# Altium PCB PCB.PcbDoc
Units mil, origin at the board's own origin, x right, y up, seen from the top; angles counter-clockwise.
Board outline 5118.11 x 5748.03 mil, 2 copper layers (Top Layer, Bottom Layer); 137 components, 128 nets, 470 pads, 16 vias.
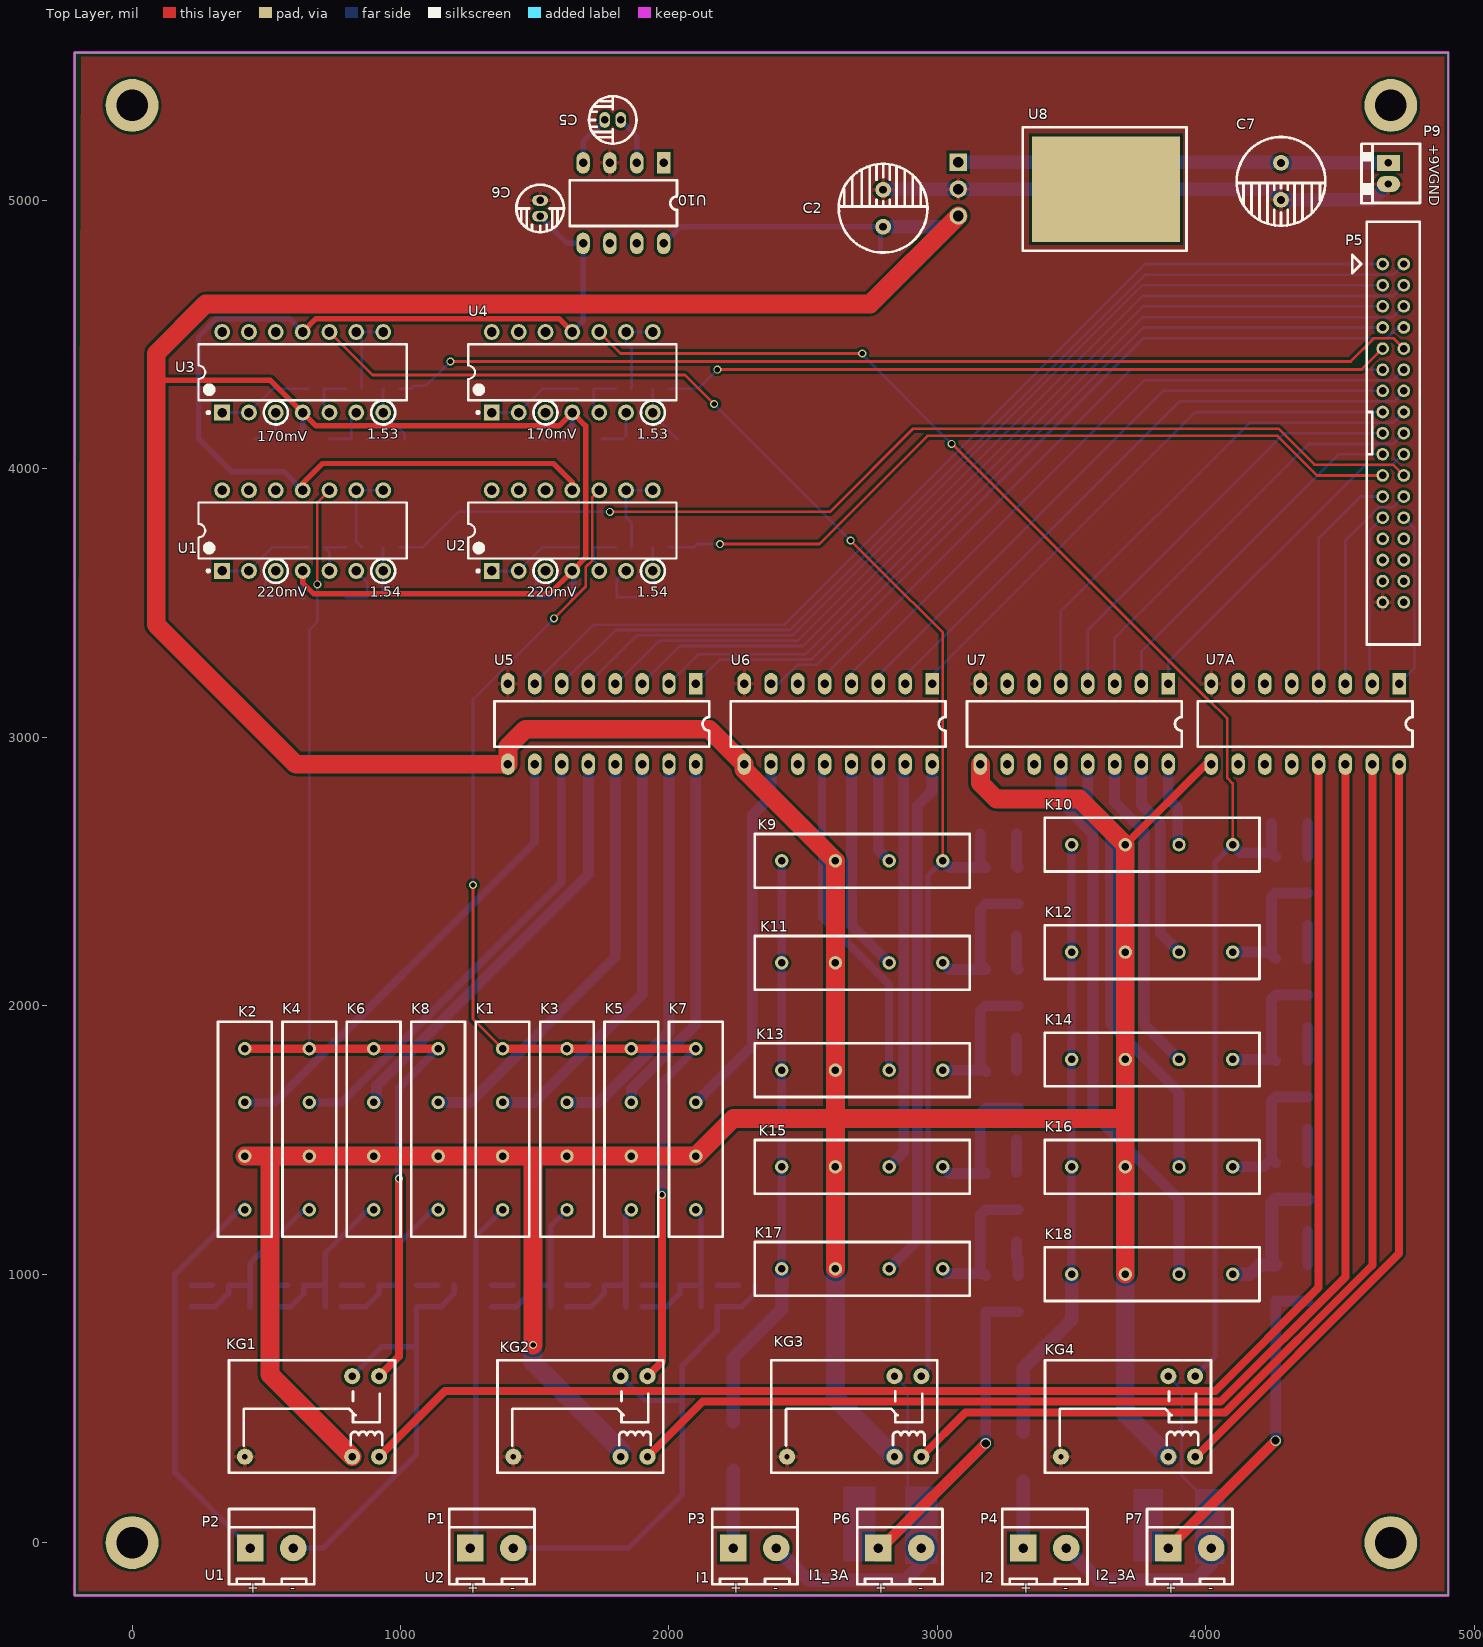
[diagram p0: Top Layer view]
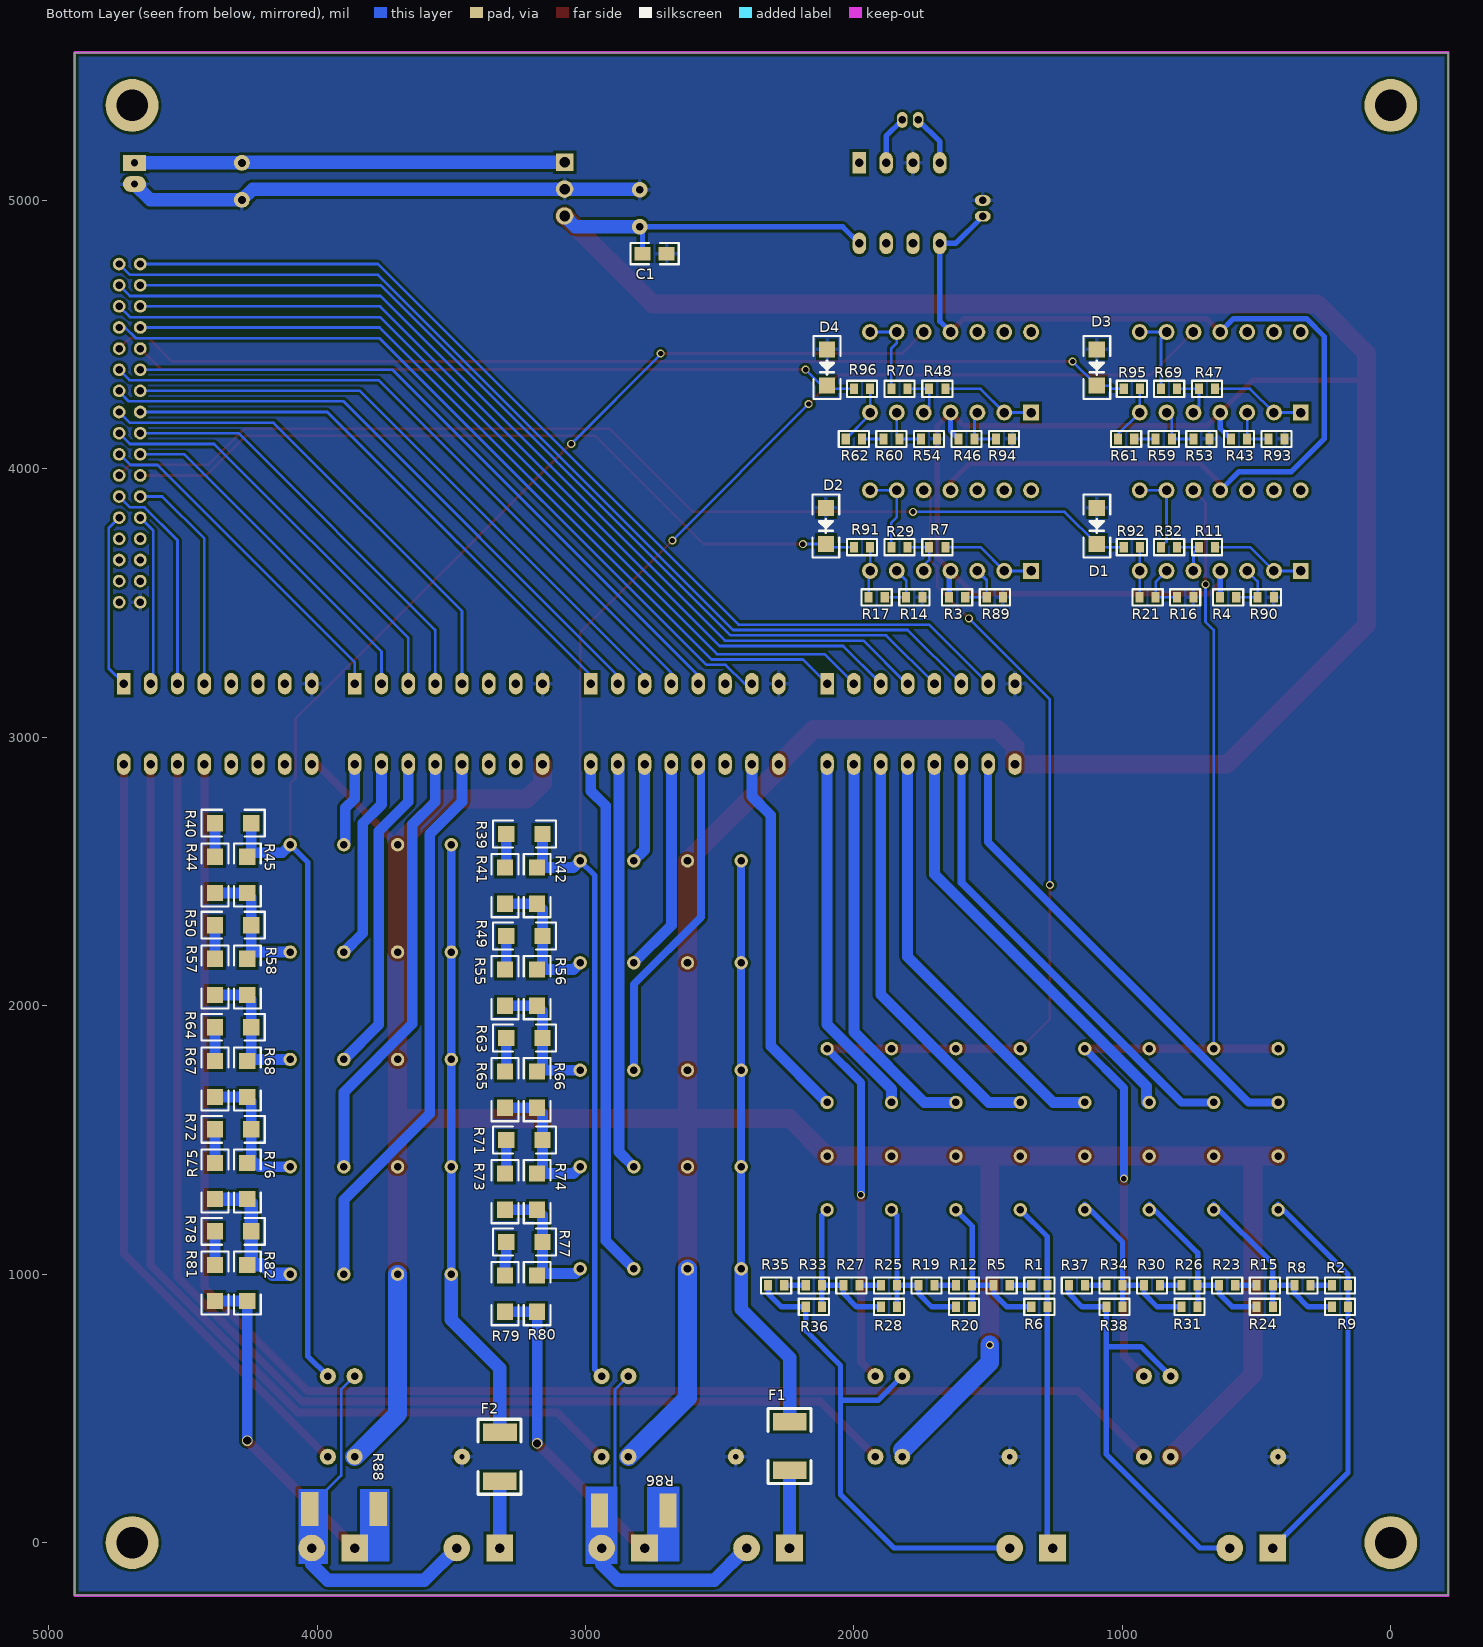
[diagram p1: Bottom Layer view, seen from below]

## Layer stack, top to bottom
Top Layer: signal copper 1.4
Dielectric: dielectric 12.6, FR-4, Dk 4.8
Bottom Layer: signal copper 1.4

## Board outline
-214.57,5551.18 -214.57,-196.85 4903.54,-196.85 4903.54,5551.18

## Design rules (kind name [scope] priority, off if disabled: settings)
Clearance [All] p1: gap=10
HoleSize [All] p1: absolutevalues=TRUE maxlimit=150 minlimit=1 maxpercent=80.000 minpercent=20.000
HoleToHoleClearance [All] p1: gap=2 allowstackedmicrovias=TRUE
PlaneConnect [All] p1: planeconnectstyle=Relief reliefexpansion=20 reliefentries=4 reliefconductorwidth=15 reliefairgap=10
PolygonConnect [All] p1: connectstyle=Relief reliefconductorwidth=15 reliefentries=4 polygonreliefangle="90 Angle"
RoomDefinition Sheet [InComponentClass('Sheet')] p1: confinementstyle=ConfineOut formatcopy=TRUE lockcomponents=FALSE outline -22969.57,-24226.85 -20969.57,-24226.85 -20969.57,-23226.85 -22969.57,-23226.85
RoutingVias [All] p1: holewidth=28 width=50 viastyle="Through Hole" minholewidth=28 minwidth=50 maxholewidth=28 maxwidth=50
SilkToSilkClearance [All] p1 off: silktosilkclearance=3.94
SilkscreenOverComponentPads [All] p1: minsilkscreentomaskgap=3.94
SolderMaskExpansion [All] p1: expansion=4
TestPointUsage [All] p1: valid=0 allowmultiple=FALSE
Testpoint [All] p1: side=15 testpointundercomponent=TRUE minsize=40 maxsize=100 preferedsize=60 minholesize=0 maxholesize=40 preferedholesize=32 testpointgrid=1 style=1023 order=0-112345678
Width Width_1 [InNet('I1_3A','+9V','GND','+5V_out','+5V')] p1: maxlimit=100 minlimit=10 preferedwidth=10 toplayer_minwidth=20 toplayer_prefwidth=70 bottomlayer_minwidth=20 bottomlayer_prefwidth=70 minimp=50.000000 maximp=50.000000 favimp=50.000000
Width [All] p2: maxlimit=50 minlimit=10 preferedwidth=20 minimp=50.000000 maximp=50.000000 favimp=50.000000
19 further rules are at their usual default settings.

## Components (designator, comment, footprint, x,y, rotation, side; value= is the part's Value field where it differs from the comment)
C1 "Cap" 0805 2697.8,4802.2 r0 bottom
C2 "Cap" RB8mm_3.5mm 2797.8,4902.2 r90 top
C5 "Cap" RB4.5mm_1.5mm 1820,5300 r180 top
C6 "Cap" RB4.5mm_1.5mm 1520,5000 r270 top
C7 "Cap" RB8mm_3.5mm 4280,5140 r270 top
D1 "" D1206 1095.28,3720 r90 bottom
D2 "" D1206 2104.72,3720 r90 bottom
D3 "" D1206 1095.28,4310 r90 bottom
D4 "" D1206 2100,4310 r90 bottom
F1 "0.75A" 1812 2240,360 r90 bottom
F2 "0.75A" 1812 3320,320 r90 bottom
K1 "Relay-SPST" MyRelay 1380,1540 r270 top
K2 "Relay-SPST" MyRelay 420,1540 r270 top
K3 "Relay-SPST" MyRelay 1620,1540 r270 top
K4 "Relay-SPST" MyRelay 660,1540 r270 top
K5 "Relay-SPST" MyRelay 1860,1540 r270 top
K6 "Relay-SPST" MyRelay 900,1540 r270 top
K7 "Relay-SPST" MyRelay 2100,1540 r270 top
K8 "Relay-SPST" MyRelay 1140,1540 r270 top
K9 "Relay-SPST" MyRelay 2720,2540 r180 top
K10 "Relay-SPST" MyRelay 3800,2600 r180 top
K11 "Relay-SPST" MyRelay 2720,2160 r180 top
K12 "Relay-SPST" MyRelay 3800,2200 r180 top
K13 "Relay-SPST" MyRelay 2720,1760 r180 top
K14 "Relay-SPST" MyRelay 3800,1800 r180 top
K15 "Relay-SPST" MyRelay 2720,1400 r180 top
K16 "Relay-SPST" MyRelay 3800,1400 r180 top
K17 "Relay-SPST" MyRelay 2720,1020 r180 top
K18 "Relay-SPST" MyRelay 3800,1000 r180 top
KG1 "Relay" RELAY_HK4101F 920,320 r180 top
KG2 "Relay" RELAY_HK4101F 1920,320 r180 top
KG3 "Relay" RELAY_HK4101F 2940,320 r180 top
KG4 "Relay" RELAY_HK4101F 3960,320 r180 top
P1 "U2" MYCON2 1340,-20 r0 top
P2 "U1" MYCON2 520,-20 r0 top
P3 "I1" MYCON2 2320,-20 r0 top
P4 "I2" MYCON2 3400,-20 r0 top
P5 "Header 17X2" IDC34S 4560,4763.78 r180 top locked
P6 "I1_3A" MYCON2 2860,-20 r0 top
P7 "I2_3A" MYCON2 3940,-20 r0 top
P9 "9V输入" XH2.0-2p 4680,5140 r270 top
R1 "Res1" 0603R 1340,960 r180 bottom
R2 "Res1" 0603R 220,960 r180 bottom
R3 "Res1" 0603R 1584.72,3520 r0 bottom
R4 "Res1" 0603R 575.28,3520 r0 bottom
R5 "Res1" 0603R 1480,960 r180 bottom
R6 "Res1" 0603R 1340,880 r180 bottom
R7 "Res1" 0603R 1720,3710 r180 bottom
R8 "Res1" 0603R 360,960 r180 bottom
R9 "Res1" 0603R 220,880 r180 bottom
R11 "Res1" 0603R 715.28,3710 r180 bottom
R12 "Res1" 0603R 1620,960 r180 bottom
R14 "Res1" 0603R 1744.72,3520 r0 bottom
R15 "Res1" 0603R 500,960 r180 bottom
R16 "Res1" 0603R 735.28,3520 r0 bottom
R17 "Res1" 0603R 1884.72,3520 r0 bottom
R19 "Res1" 0603R 1760,960 r180 bottom
R20 "Res1" 0603R 1620,880 r180 bottom
R21 "Res1" 0603R 875.28,3520 r0 bottom
R23 "Res1" 0603R 640,960 r180 bottom
R24 "Res1" 0603R 500,880 r180 bottom
R25 "Res1" 0603R 1900,960 r180 bottom
R26 "Res1" 0603R 780,960 r180 bottom
R27 "Res1" 0603R 2040,960 r180 bottom
R28 "Res1" 0603R 1900,880 r180 bottom
R29 "Res1" 0603R 1800,3706.78 r0 bottom
R30 "Res1" 0603R 920,960 r180 bottom
R31 "Res1" 0603R 780,880 r180 bottom
R32 "Res1" 0603R 795.28,3706.78 r0 bottom
R33 "Res1" 0603R 2180,960 r180 bottom
R34 "Res1" 0603R 1060,960 r180 bottom
R35 "Res1" 0603R 2320,960 r180 bottom
R36 "Res1" 0603R 2180,880 r180 bottom
R37 "Res1" 0603R 1200,960 r180 bottom
R38 "Res1" 0603R 1060,880 r180 bottom
R39 "Res1" 1206 3295,2640 r180 bottom
R40 "Res1" 1206 4380,2680 r180 bottom
R41 "Res1" 1206 3300,2380 r90 bottom
R42 "Res1" 1206 3180,2380 r90 bottom
R43 "Res1" 0603R 535.28,4110 r0 bottom
R44 "Res1" 1206 4380,2420 r90 bottom
R45 "Res1" 1206 4260,2420 r90 bottom
R46 "Res1" 0603R 1550,4110 r0 bottom
R47 "Res1" 0603R 715.28,4300 r180 bottom
R48 "Res1" 0603R 1720,4300 r180 bottom
R49 "Res1" 1206 3295,2260 r180 bottom
R50 "Res1" 1206 4380,2300 r180 bottom
R53 "Res1" 0603R 675.28,4110 r0 bottom
R54 "Res1" 0603R 1690,4110 r0 bottom
R55 "Res1" 1206 3300,2000 r90 bottom
R56 "Res1" 1206 3180,2000 r90 bottom
R57 "Res1" 1206 4380,2040 r90 bottom
R58 "Res1" 1206 4260,2040 r90 bottom
R59 "Res1" 0603R 815.28,4110 r0 bottom
R60 "Res1" 0603R 1830,4110 r0 bottom
R61 "Res1" 0603R 955.28,4110 r0 bottom
R62 "Res1" 0603R 1970,4110 r0 bottom
R63 "Res1" 1206 3295,1880 r180 bottom
R64 "Res1" 1206 4380,1920 r180 bottom
R65 "Res1" 1206 3300,1620 r90 bottom
R66 "Res1" 1206 3180,1620 r90 bottom
R67 "Res1" 1206 4380,1660 r90 bottom
R68 "Res1" 1206 4260,1660 r90 bottom
R69 "Res1" 0603R 795.28,4296.78 r0 bottom
R70 "Res1" 0603R 1800,4296.78 r0 bottom
R71 "Res1" 1206 3295,1500 r180 bottom
R72 "Res1" 1206 4380,1540 r180 bottom
R73 "Res1" 1206 3300,1240 r90 bottom
R74 "Res1" 1206 3180,1240 r90 bottom
R75 "Res1" 1206 4380,1280 r90 bottom
R76 "Res1" 1206 4260,1280 r90 bottom
R77 "Res1" 1206 3295,1120 r180 bottom
R78 "Res1" 1206 4380,1160 r180 bottom
R79 "Res1" 1206 3300,860 r90 bottom
R80 "Res1" 1206 3180,860 r90 bottom
R81 "Res1" 1206 4380,900 r90 bottom
R82 "Res1" 1206 4260,900 r90 bottom
R86 "Res1" MY2512 2820,120 r180 bottom
R88 "Res1" MY2512 3900,125 r180 bottom
R89 "Res1" 0603R 1444.72,3520 r0 bottom
R90 "Res1" 0603R 435.28,3520 r0 bottom
R91 "Res1" 0603R 2000,3710 r180 bottom
R92 "Res1" 0603R 995.28,3710 r180 bottom
R93 "Res1" 0603R 395.28,4110 r0 bottom
R94 "Res1" 0603R 1410,4110 r0 bottom
R95 "Res1" 0603R 995.28,4300 r180 bottom
R96 "Res1" 0603R 2000,4300 r180 bottom
U1 "LMC6064IN" N14A 635.28,3770 r90 top
U2 "LMC6064IN" N14A 1640,3770 r90 top
U3 "LMC6064IN" N14A 635.28,4360 r90 top
U4 "LMC6064IN" N14A 1640,4360 r90 top
U5 "ULN2003" DIP16 2100,3200 r270 top
U6 "ULN2003" DIP16 2980,3200 r270 top
U7 "ULN2003" DIP16 3860,3200 r270 top
U7A "ULN2003" DIP16 4720,3200 r270 top
U8 "7805" 78xx 3077.8,5142.2 r270 top
U10 "ICL7660" DIP8 1980,5140 r270 top

## Footprints (in the part's own frame and the unit in brackets; to place one, negate y for a bottom-side part, rotate by r counter-clockwise, add the part's x,y. Pads: shape width x height; smd on the part's side, far side on the other; paste and mask are expansions set on the pad)
78xx [mil]
  rect 65x65 hole 39.37: 1(0,0)
  round 65 hole 39.37: 2(100,0) 3(200,0)
  rect 393.7x551.18 smd: ""(100,550)
  silkscreen extent -130,240 330,850
0603R [mil]
  rect 30x40 smd: 1(0.5,-1.59) 2(60.5,-1.59)
  silkscreen extent -26,-32 87,28
0805 [mil]
  rect 60x50 smd: 1(0,0) 2(90,0)
  silkscreen extent -45,-40 135,40
1206 [mil]
  rect 60x60 smd: 1(0,0) 2(135,0)
  silkscreen extent -50,-50 185,50
1812 [mm]
  rect 1.65x3.2 smd: 1(-2.3,-0.022) 2(2.3,-0.025)
  silkscreen extent -3.56,-2.03 3.56,2.03
D1206 [mil]
  rect 60x60 smd: 1(0,0) 3(135,0)
  silkscreen extent -50,-50 185,50
DIP8 [mil]
  rect 80x50 hole 32: 1(0,0)
  oval 80x50 hole 32: 2(0,-100) 3(0,-200) 4(0,-300) 5(300,-300) 6(300,-200) 7(300,-100) 8(300,0)
  silkscreen extent 65,-350 235,50
DIP16 [mil]
  rect 80x50 hole 32: 1(0,0)
  oval 80x50 hole 32: 2(0,-100) 3(0,-200) 4(0,-300) 5(0,-400) 6(0,-500) 7(0,-600) 8(0,-700) 9(300,-700) 10(300,-600) 11(300,-500) 12(300,-400) 13(300,-300) 14(300,-200) 15(300,-100) 16(300,0)
  silkscreen extent 65,-750 235,50
IDC34S [mm]
  round 1.2 hole 0.7: 1(-2.504,0.016) 2(-4.504,0.016) 3(-2.504,2.016) 4(-4.504,2.016) 5(-2.504,4.016) 6(-4.504,4.016) 7(-2.504,6.016) 8(-4.504,6.016) 9(-2.504,8.016) 10(-4.504,8.016) 11(-2.504,10.016) 12(-4.504,10.016) 13(-2.504,12.016) 14(-4.504,12.016) 15(-2.504,14.016) 16(-4.504,14.016) 17(-2.504,16.016) 18(-4.504,16.016) 19(-2.504,18.016) 20(-4.504,18.016) 21(-2.504,20.016) 22(-4.504,20.016) 23(-2.504,22.016) 24(-4.504,22.016) 25(-2.504,24.016) 26(-4.504,24.016) 27(-2.504,26.016) 28(-4.504,26.016) 29(-2.504,28.016) 30(-4.504,28.016) 31(-2.504,30.016) 32(-4.504,30.016) 33(-2.504,32.016) 34(-4.504,32.016)
  silkscreen extent -6.01,-3.99 0.37,36.01
MY2512 [mm]
  rect 1.65x3.2 smd: 1(-3.247,0.004) 2(3.233,0)
MYCON2 [mil]
  rect 99.37x99.37 hole 35.43: 1(-80,0)
  round 99.37 hole 35.43: 2(80,0)
  silkscreen extent -159,-135 159,145
MyRelay [mil]
  round 50 hole 28: 1(300,0) 2(-300,0) 3(100,0) 4(-100,0)
  silkscreen extent -400,-100 400,100
N14A [mm] "DIP, 14-Leads, Row Spacing 7.62mm, Pitch 2.54mm, Body 19.56x6.35mm"
  rect 1.5x1.5 hole 0.9: 1(-3.81,7.62)
  round 1.5 hole 0.9: 2(-3.81,5.08) 3(-3.81,2.54) 4(-3.81,0) 5(-3.81,-2.54) 6(-3.81,-5.08) 7(-3.81,-7.62) 8(3.81,-7.62) 9(3.81,-5.08) 10(3.81,-2.54) 11(3.81,0) 12(3.81,2.54) 13(3.81,5.08) 14(3.81,7.62)
  silkscreen extent -3.93,-9.85 2.65,9.85, body extent -3.55,-9.85 3.55,9.85, height 5.08
RB4.5mm_1.5mm [mm] "cap"
  oval 1x1.5 hole 0.711: 1(0,0) 2(1.5,0)
  silkscreen extent -1.5,-2.25 3,2.25
RB8mm_3.5mm [mm]
  round 1.5 hole 0.75: 1(0,0) 2(3.5,0)
  silkscreen extent -2.45,-4.2 5.95,4.2
RELAY_HK4101F [mil] "汇科HK4101F继电器"
  round 60 hole 19.68: 1(500,0)
  round 60 hole 27.56: 2(0,-300) 3(100,-300) 4(0,0) 5(100,0)
  silkscreen extent -59,-359 559,59
XH2.0-2p [mm]
  rect 1.5x2.2 hole 0.7: 1(0,0)
  oval 1.5x2.2 hole 0.7: 2(2,0)
  silkscreen extent -1.8,-2.55 3.81,3

## Part data
C1 C2 C5 C6 C7: "Capacitor"
D1 D2 D3 D4: library part "Diode 10TQ035", "Schottky Rectifier"
F1 F2: library part "Fuse 1", "Fuse"
K1 K2 K3 K4 K5 K6 K7 K8 K9 K10 K11 K12 K13 K14 K15 K16 K17 K18: "Single-Pole Single-Throw Relay"
KG1 KG2 KG3 KG4: "SPDT Relay"
P1 P2 P3 P4 P6 P7 P9: library part "Header 2", "Header, 2-Pin"
P5: "Header, 17-Pin, Dual row"
R1 R2 R3 R4 R5 R6 R7 R8 R9 R11 R12 R14 R15 R16 R17 R19 R20 R21 R23 R24 R25 R26 R27 R28 R29 R30 R31 R32 R33 R34 R35 R36 R37 R38 R39 R40 R41 R42 R43 R44 R45 R46 R47 R48 R49 R50 R53 R54 R55 R56 R57 R58 R59 R60 R61 R62 R63 R64 R65 R66 R67 R68 R69 R70 R71 R72 R73 R74 R75 R76 R77 R78 R79 R80 R81 R82 R86 R88 R89 R90 R91 R92 R93 R94 R95 R96: "Resistor"
U1 U2 U3 U4: "Precision CMOS Quad Micropower Operational Amplifier"

## Free pads (board coordinates)
  round 196.85 hole 118.11: ""(0,0) ""(0,5354.33) ""(4688.98,0) ""(4688.98,5354.33)

## Via types
v1: diameter 30, hole 20, Top Layer to Bottom Layer, 14 vias
v2: diameter 40, hole 30, Top Layer to Bottom Layer, 2 vias

## Nets (pads, with @x,y where several pads share a name; then routed paths per layer and width w, separated by ;. In a path a pad name is that pad's centre, name@x,y a point inside that pad or via, vN(x,y) a via of type N, cw(c..) or ccw(c..) an arc to the next point about the centre after c; other vN are vias at no path point)
+5V: C1.2 C2.1 K1.3 K2.3 K3.3 K4.3 K5.3 K6.3 K7.3 K8.3 K9.3 K10.3 K11.3 K12.3 K13.3 K14.3 K15.3 K16.3 K17.3 K18.3 KG1.5 KG2.5 KG3.5 KG4.5 R3.2 R4.2 R43.2 R46.2 U1.4 U2.4 U3.4 U4.4 U5.9 U6.9 U7.9 U7A.9 U8.3 U10.8 | length 23897.4
  Top Layer w20: 90,4330 515.28,4330 U3.4 684.81,4160.47 1590.47,4160.47 U4.4 1689.53,4160.47 1689.53,3669.53 U2.4 1555,3535 675.5,3535 635.77,3574.73 635.77,3619.5 U1.4
  Top Layer w30: K10.3 4000,2900 U7A.9
  Top Layer w70: K2.3 K4.3 K6.3 K8.3 K1.3 K3.3 K5.3 K7.3 2240,1580 2620,1580 ; 513.86,1426.14 513.86,626.14 KG1.5 ; v1(1493.86,736.22) 1493.86,1436.14 ; K17.3 K15.3 2620,1580 ; U8.3 2750.12,4614.53 274.53,4614.53 90,4430 90,4330 90,3760 90,3420 610,2900 U5.9 1400,2965 1465,3030 2150,3030 U6.9 2280,2880 K9.3 K11.3 K13.3 2620,1580 ; U7.9 3160,2830 3220,2770 3530,2770 K10.3 K12.3 K14.3 K16.3 K18.3 ; 3690,1580 2620,1580
  Bottom Layer w20: R43.2 635.28,4151.09 U3.4 ; R4.2 U1.4@635.77,3619.5 ; R46.2 1640,4141.09 U4.4 ; U2.4 1645.22,3614.78 R3.2 ; U10.8 2042.2,4902.2 C2.1 2787.8,4892.2 C1.2
  Bottom Layer w50: C2.1 3037.8,4902.2 U8.3
  Bottom Layer w70: v1(1493.86,736.22) 1493.86,671.14 KG2.5@1820,345 ; K17.3 2620,540 KG3.5 ; K18.3 3700,480 KG4.5
+9V: C7.1 P9.1 U8.1 | length 1603.1
  Bottom Layer w50: U8.1 4277.8,5142.2 C7.1 P9.1
-5V: C6.2 U1.11 U2.11 U3.11 U4.11 U10.5 | length 3997.5
  Top Layer w20: U1.11 635.28,3945.28 710,4020 1570,4020 1640,3950 U2.11 ; U3.11 636.22,4510 685.75,4559.53 1590.47,4559.53 U4.11
  Bottom Layer w20: U1.11 565.28,3990 370,3990 247.48,4112.52 247.48,4492.25 314.76,4559.53 585.75,4559.53 U3.11 ; C6.2 1620.94,4840 U10.5 1680,4550 U4.11
GND: C1.1 C2.2 C6.1 C7.2 D1.3 D2.3 D3.3 D4.3 KG1.1 KG2.1 KG3.1 KG4.1 P5.33 P9.2 R14.1 R16.1 R53.1 R54.1 R89.1 R90.1 R93.1 R94.1 U5.8 U6.8 U7.8 U7A.8 U8.2 U10.3 | length 1924.1
  Bottom Layer w50: C2.2@2800,5042.2 U8.2 4240,5042.2 C7.2 ; C7.2@4282.2,5000 C7.2 ; P9.2 4620.94,5002.2 C7.2
I1_0.6A: K17.4 U6.16 | length 1946.3
  Bottom Layer w40: K17.4 2925,1125 2925,2745 2980,2800 U6.16
I1_3A: P6.1 R79.1 R80.1 R86.2 | length 1171.5
  Top Layer w40: P6.1 2790,-20 v2(3180,370)
  Bottom Layer w40: v2(3180,370) R80.1 R79.1
I1_5MA: K13.4 U6.12 | length 1247.7
  Bottom Layer w30: U6.12 2570,2890 2570,2330 2820,2080 K13.4
I1_50MA: K15.4 U6.15 | length 1524.9
  Bottom Layer w40: K15.4 2875,1455 2875,2895 U6.15
I1_50UA: K9.4 U6.14 | length 376.6
  Bottom Layer w40: U6.14 2780,2580 K9.4
I1_300UA: K11.4 U6.13 | length 798
  Bottom Layer w40: U6.13 2680,2300 K11.4
I1_AD: D3.1 P5.10 R95.1 | length 3836.6
  Top Layer w10: v1(1185.28,4400) 4539.54,4400 4626.35,4486.8 4698.72,4486.8 P5.10
  Bottom Layer w10: R95.1 1038.84,4298.41 1050.43,4310 D3.1 v1(1185.28,4400)
I2_0.6A: K18.4 U7.12 | length 2082.3
  Bottom Layer w40: U7.12 3460,2760 3580,2640 3580,1597.78 3900,1277.78 K18.4
I2_3A: P7.1 R81.1 R82.1 R88.2 | length 1205.7
  Top Layer w40: P7.1 v2(4260,380)
  Bottom Layer w40: v2(4260,380) R82.1 R81.1
I2_5MA: K14.4 U7.14 | length 1199.4
  Bottom Layer w40: U7.14 3660,2760 3770,2650 3770,1930 K14.4
I2_50MA: K16.4 U7.13 | length 1640.8
  Bottom Layer w40: U7.13 3560,2760 3645,2675 3645,1932.78 3900,1677.78 K16.4
I2_50UA: K10.4 U7.16 | length 316.6
  Bottom Layer w40: U7.16 3860,2771.42 3895,2736.42 3895,2605 K10.4
I2_300UA: K12.4 U7.15 | length 758
  Bottom Layer w40: U7.15 3760,2750 3830,2680 3830,2270 K12.4
I2_AD: D4.1 P5.9 R96.1 | length 2720.5
  Top Layer w10: v1(2180,4370) 4580.42,4370 P5.9
  Bottom Layer w10: R96.1 2088.41,4298.41 2110,4300 v1(2180,4370)
IO_0: P5.1 U5.7 | length 3806.1
  Bottom Layer w10: U5.7 1720,3420 2430,3420 3773.14,4763.14 P5.1
IO_1: P5.2 U5.6 | length 3784.8
  Bottom Layer w10: U5.6 1800,3400 2450,3400 3773.02,4723.02 4697.22,4723.02 P5.2
IO_2: P5.3 U5.5 | length 3573.5
  Bottom Layer w10: U5.5 1880,3380 2460,3380 3764.4,4684.4 P5.3
IO_3: P5.4 U5.4 | length 3552.2
  Bottom Layer w10: U5.4 1805,3200 1965,3360 2480,3360 3764.28,4644.28 4697.22,4644.28 P5.4
IO_4: P5.5 U5.3 | length 3340.8
  Bottom Layer w10: U5.3 2040,3340 2500,3340 3765.66,4605.66 P5.5
IO_5: P5.6 U5.2 | length 3319.6
  Bottom Layer w10: U5.2 2110,3310 2510,3310 3765.54,4565.54 4697.22,4565.54 P5.6
IO_6: P5.7 U5.1 | length 3108.2
  Bottom Layer w10: U5.1 2190,3290 2530,3290 3766.92,4526.92 P5.7
IO_7: P5.8 U6.7 | length 2907
  Bottom Layer w10: U6.7 2408.43,3200 2478.43,3270 2550,3270 3766.8,4486.8 4674.6,4486.8 4714.71,4526.92 P5.8
IO_8: P5.11 U6.5 | length 2580.6
  Bottom Layer w10: U6.5 2580,3230 3719.44,4369.44 P5.11
IO_9: P5.12 U6.4 | length 2565.2
  Bottom Layer w10: U6.4 2680,3240 3770.82,4330.82 4698.72,4330.82 P5.12
IO_10: P5.13 U6.3 | length 2348
  Bottom Layer w10: U6.3 2780,3230 3840.7,4290.7 P5.13
IO_11: P5.14 U6.2 | length 2330.6
  Bottom Layer w10: U6.2 2880,3230 3902.08,4252.08 4702.08,4252.08 4734.02,4284.02 P5.14@4734.02,4294.02
IO_12: P5.15 U6.1 | length 2115.3
  Bottom Layer w10: U6.1 2980,3230 3961.96,4211.96 P5.15
IO_13: P5.16 U7.5 | length 1854.7
  Bottom Layer w10: U7.5 3460,3470 4161.84,4171.84 4697.22,4171.84 P5.16
IO_14: P5.17 U7.4 | length 1602.3
  Bottom Layer w10: U7.4 3560,3400 4293.22,4133.22 P5.17
IO_15: P5.18 U7.3 | length 1563.5
  Bottom Layer w10: U7.3 3660,3370 4383.1,4093.1 4697.22,4093.1 P5.18
IO_16: P5.19 U7.2 | length 1322.8
  Bottom Layer w10: U7.2 3760,3320 4494.48,4054.48 P5.19
IO_17: P5.20 U7.1 | length 1278.1
  Bottom Layer w10: U7.1 3860,3280 4594.36,4014.36 4694.36,4014.36 4734.48,4054.48 P5.20
IO_18: P5.23 U7A.4 | length 843.6
  Bottom Layer w10: U7A.4 4420,3740 4577,3897 P5.23
IO_19: P5.24 U7A.3 | length 819
  Bottom Layer w10: U7A.3 4520,3734.28 4642.6,3856.88 4697.22,3856.88 P5.24
IO_20: P5.25 U7A.2 | length 642.5
  Bottom Layer w10: U7A.2 4610,3210 4610,3769.66 P5.25
IO_21: P5.26 U7A.1 | length 657.4
  Bottom Layer w10: U7A.1 4775.96,3255.96 4775.96,3779.64 P5.26
KG1: KG1.4 U7A.13 | length 5711
  Top Layer w30: KG1.4 1165,565 4035,565 4420,950 U7A.13
KG2: KG2.4 U7A.14 | length 4787.5
  Top Layer w30: KG2.4 2125,525 4055,525 4520,990 U7A.14
KG3: KG3.4 U7A.15 | length 3842.1
  Top Layer w30: KG3.4 3105,485 4071.57,485 4620,1033.43 U7A.15
KG4: KG4.4 U7A.16 | length 2896.6
  Top Layer w30: KG4.4 3963.14,320 4720,1076.86 U7A.16
NetC5_1: C5.1 U10.2 | length 184.9
  Bottom Layer w20: C5.1 1880,5240 U10.2
NetC5_2: C5.2 U10.4 | length 193.5
  Bottom Layer w20: U10.4 1680,5219.06 C5.2
NetF1_1: F1.1 P3.1 | length 289.8
  Bottom Layer w50: F1.1 2240,268.59 P3.1
NetF1_2: F1.2 K9.1 K11.1 K13.1 K15.1 K17.1 | length 2164.4
  Bottom Layer w30: K17.1 K15.1 K13.1 K11.1 K9.1
  Bottom Layer w50: F1.2 2239.02,689.02 2420,870 K17.1
NetF2_1: F2.1 P4.1 | length 249.8
  Bottom Layer w50: F2.1 3319.14,-19.14 P4.1
NetF2_2: F2.2 K10.1 K12.1 K14.1 K16.1 K18.1 | length 2264.4
  Bottom Layer w30: K18.1 K16.1 K14.1 K12.1 K10.1
  Bottom Layer w50: F2.2 3319.02,649.02 3500,830 K18.1
NetK1_1: K1.1 P1.1 R1.2 R6.2 | length 1309.7
  Bottom Layer w20: P1.1 1279.5,-0.5 R6.2 R1.2 1279.5,1139.5 K1.1
NetK1_2: K1.2 K3.2 K5.2 K7.2 KG2.2 U2.10 | length 4334.8
  Top Layer w10: v1(1270,2450) 1270,1950 K1.2 ; v1(1571.7,3443.27) 1690,3561.57 1690,3634.64 1714.53,3659.17 1714.53,3894.53 U2.10
  Top Layer w30: K1.2 K3.2 K5.2 K7.2 ; KG2.2 1974.17,674.17 v1(1974.17,1295.83)
  Bottom Layer w10: v1(1270,2450) 1270,3141.57 v1(1571.7,3443.27)
  Bottom Layer w30: v1(1974.17,1295.83) 1974.17,1714.17 K7.2
NetK2_1: K2.1 P2.1 R2.2 R9.2 | length 1504.1
  Bottom Layer w20: K2.1@420,1260 159.5,999.5 R2.2 R9.2 159.5,260.5 P2.1
NetK2_2: K2.2 K4.2 K6.2 K8.2 KG1.2 U1.10 | length 4122.3
  Top Layer w10: v1(690,3570) 690,3874.72 U1.10
  Top Layer w30: K2.2@440,1840 K4.2 K6.2 K8.2 ; KG1.2 994.17,694.17 v1(994.17,1355.83)
  Bottom Layer w10: K4.2 660,3400 690,3430 v1(690,3570)
  Bottom Layer w30: v1(994.17,1355.83) 994.17,1694.17 K8.2
NetK3_1: K3.1 R5.1 R6.1 R12.2 R20.2 | length 657.6
  Bottom Layer w20: R6.1 1430,878.41 1479.5,927.91 R5.1 R12.2 ; R20.2 R12.2 ; K3.1 1559.5,1179.5 R12.2
NetK4_1: K4.1 R8.1 R9.1 R15.2 R24.2 | length 743
  Bottom Layer w20: R9.1 308.41,878.41 359.5,929.5 R8.1 R15.2 ; R24.2 R15.2 ; K4.1@660,1260 439.5,1039.5 R15.2
NetK5_1: K5.1 R19.1 R20.1 R25.2 R28.2 | length 641.1
  Bottom Layer w20: R20.1 1710,878.41 1759.5,927.91 R19.1 R25.2 ; R28.2 R25.2 ; K5.1 1839.5,1219.5 R25.2
NetK6_1: K6.1 R23.1 R24.1 R26.2 R31.2 | length 727.4
  Bottom Layer w20: R24.1 590,878.41 639.5,927.91 R23.1 R26.2 ; R31.2 R26.2 ; K6.1@900,1260 719.5,1079.5 R26.2
NetK7_1: K7.1 R27.1 R28.1 R33.2 R36.2 | length 640.7
  Bottom Layer w20: R28.1 1990,878.41 2039.5,927.91 R27.1 R33.2 ; K7.1 2119.5,1220.5 R33.2 ; R36.2 R33.2
NetK8_1: K8.1 R30.1 R31.1 R34.2 R38.2 | length 710.8
  Bottom Layer w20: R31.1 870,878.41 919.5,927.91 R30.1 R34.2 ; R38.2 R34.2 ; K8.1@1140,1260 999.5,1119.5 R34.2
NetK9_2: K9.2 KG3.2 R39.2 R42.2 U3.10 | length 5855.4
  Top Layer w10: U3.10 895.28,4350 2060,4350 v1(2168.45,4241.55) ; v1(2676.53,3733.47) 2790,3620 3020,3390 K9.2
  Bottom Layer w10: v1(2168.45,4241.55) v1(2676.53,3733.47)
  Bottom Layer w20: KG3.2 2965,645 2965,2485 K9.2
  Bottom Layer w40: K9.2 3045,2515 R42.2 3160,2535 R39.2
NetK10_2: K10.2 KG4.2 R40.2 R45.2 U4.10 | length 5749.9
  Top Layer w10: U4.10 1820,4430 v1(2720,4430) ; v1@3049.22,4099.22 4003.43,3145 4005,3145 4080,3070 4080,2848.43 4100,2828.43 K10.2
  Bottom Layer w10: v1(2720,4430) 2720,4426.21 v1(3053.05,4093.16)
  Bottom Layer w20: KG4.2 4034.17,694.17 4034.17,2534.17 K10.2
  Bottom Layer w40: K10.2 4130,2570 R45.2@4245,2570 ; R40.2 R45.2@4245,2570 ; R45.2 R45.2@4245,2570
NetK11_2: K11.2 R41.1 R42.1 R49.2 R56.2 | length 551.9
  Bottom Layer w40: K11.2 3045,2135 R56.2 3160,2155 3160,2360 R42.1 R41.1
NetK12_2: K12.2 R44.1 R45.1 R50.2 R58.2 | length 512.4
  Bottom Layer w40: K12.2 R58.2@4235,2200 ; R58.2 4245,2190 R50.2 4245,2405 R45.1 R44.1
NetK13_2: K13.2 R55.1 R56.1 R63.2 R66.2 | length 515.4
  Bottom Layer w40: K13.2 3175,1760 R66.2 ; R66.2@3160,1775 3160,1980 R56.1 R55.1
NetK14_2: K14.2 R57.1 R58.1 R64.2 R68.2 | length 532.4
  Bottom Layer w40: K14.2 R68.2@4255,1800 ; R68.2 R68.2@4255,1800 ; R57.1 R58.1 4245,2025 R64.2 4245,1810 R68.2@4255,1800
NetK15_2: K15.2 R65.1 R66.1 R71.2 R74.2 | length 551.9
  Bottom Layer w40: K15.2 3045,1375 R74.2 3160,1395 3160,1600 R66.1 R65.1
NetK16_2: K16.2 R67.1 R68.1 R72.2 R76.2 | length 513.6
  Bottom Layer w40: K16.2 4215,1400 R76.2@4230,1415 ; R76.2 4245,1430 R72.2 4245,1645 R68.1 R67.1
NetK17_2: K17.2 R73.1 R74.1 R77.2 R80.2 | length 551.9
  Bottom Layer w40: K17.2 3037.5,1002.5 3172.5,1002.5 R80.2 3160,1015 R77.2 3160,1220 R74.1 R73.1
NetK18_2: K18.2 R75.1 R76.1 R78.2 R82.2 | length 551.9
  Bottom Layer w50: K18.2 4165.43,1000 4200.43,1035 R82.2 4245,1050 R78.2 4245,1265 R76.1 R75.1
NetKG1_3: KG1.3 P2.2 R37.1 R38.1 | length 1629.5
  Bottom Layer w20: P2.2 710.39,-20 1059.5,329.11 1059.5,730 ; KG1.3 930,730 1059.5,730 ; R37.1 1199.5,927.91 1150,878.41 R38.1 1059.5,730
NetKG2_3: KG2.3 P1.2 R35.1 R36.1 | length 1923.2
  Bottom Layer w20: P1.2 1850,-20 2050,180 2050,530 ; KG2.3 1910,530 2050,530 ; R35.1 2319.5,927.91 2270,878.41 R36.1 2179.5,789.5 2050,660 2050,530
NetKG3_3: KG3.3 P3.2 P6.2 R86.1 | length 1219
  Bottom Layer w10: KG3.3 2890,570 2890,107 2940,57
  Bottom Layer w50: P3.2 2520,-140 2880,-140 2940,-80
NetKG4_3: KG4.3 P4.2 P7.2 R88.1 | length 1171.9
  Bottom Layer w10: KG4.3 3910,570 3910,250 R88.1@4027.83,132.17
  Bottom Layer w50: P4.2 3600,-140 3960,-140 4020,-80
NetR1_1: R1.1 R5.2 | length 80
  Bottom Layer w20: R1.1 R5.2
NetR2_1: R2.1 R8.2 | length 80
  Bottom Layer w20: R2.1 R8.2
NetR3_1: R3.1 R89.2 U2.3 | length 192.8
  Bottom Layer w10: U2.3 1505.22,3585.22 R89.2 R3.1
NetR4_1: R4.1 R90.2 U1.3 | length 194.8
  Bottom Layer w10: U1.3 495.77,3580.5 R90.2 R4.1
NetR7_1: R7.1 R29.1 U2.5 | length 177.9
  Bottom Layer w10: U2.5 1740,3640 1719.5,3660.5 R7.1 1800.46,3708.41 R29.1
NetR7_2: R7.2 U2.1 U2.2 | length 356.1
  Bottom Layer w10: U2.1 U2.2 1528.41,3708.41 R7.2
NetR11_1: R11.1 R32.1 U1.5 | length 177.9
  Bottom Layer w10: U1.5 735.28,3687.91 R11.1 R32.1@795.73,3708.41
NetR11_2: R11.2 U1.1 U1.2 | length 356.1
  Bottom Layer w10: U1.1 U1.2 523.69,3708.41 R11.2
NetR12_1: R12.1 R19.2 | length 80
  Bottom Layer w20: R12.1 R19.2
NetR14_2: R14.2 R17.1 U2.6 | length 192.8
  Bottom Layer w10: U2.6 1805.22,3585.22 R14.2 R17.1
NetR15_1: R15.1 R23.2 | length 80
  Bottom Layer w20: R15.1 R23.2
NetR16_2: R16.2 R21.1 U1.6 | length 195.2
  Bottom Layer w10: R16.2 R21.1 875.77,3579.5 U1.6
NetR17_2: R17.2 R91.2 U2.7 | length 188.5
  Bottom Layer w10: U2.7@1939.5,3620.5 R91.2 ; U2.7 1945.22,3614.78 R17.2
NetR21_2: R21.2 R92.2 U1.7 | length 185.8
  Bottom Layer w10: R21.2@934.78,3522.58 R92.2
NetR25_1: R25.1 R27.2 | length 80
  Bottom Layer w20: R25.1 R27.2
NetR26_1: R26.1 R30.2 | length 80
  Bottom Layer w20: R26.1 R30.2
NetR29_2: R29.2 U2.8 U2.9 | length 320.1
  Bottom Layer w10: R29.2 1860.5,3799.5 1840,3820 U2.9 U2.8
NetR32_2: R32.2 U1.8 U1.9 | length 320.1
  Bottom Layer w10: R32.2 835.28,3728.87 U1.9 U1.8
NetR33_1: R33.1 R35.2 | length 80
  Bottom Layer w20: R33.1 R35.2
NetR34_1: R34.1 R37.2 | length 80
  Bottom Layer w20: R34.1 R37.2
NetR39_1: R39.1 R41.2 | length 127.1
  Bottom Layer w40: R39.1 3295,2520 R41.2
NetR40_1: R40.1 R44.2 | length 125
  Bottom Layer w40: R44.2 R40.1
NetR43_1: R43.1 R93.2 U3.3 | length 177.9
  Bottom Layer w10: R93.2 R43.1 ; R43.1@535.28,4112.09 U3.3
NetR46_1: R46.1 R94.2 U4.3 | length 167.9
  Bottom Layer w10: R94.2 R46.1 U4.3@1550.5,4199.5
NetR47_1: R47.1 R69.1 U3.5 | length 177.9
  Bottom Layer w10: U3.5 714.78,4230.5 R47.1 R69.1@795.73,4298.41
NetR47_2: R47.2 U3.1 U3.2 | length 356.1
  Bottom Layer w10: U3.1 U3.2 523.69,4298.41 R47.2
NetR48_1: R48.1 R70.1 U4.5 | length 177.9
  Bottom Layer w10: U4.5 1719.5,4230.5 R48.1 R70.1@1800.46,4298.41
NetR48_2: R48.2 U4.1 U4.2 | length 356.1
  Bottom Layer w10: U4.1 U4.2 1528.41,4298.41 R48.2
NetR49_1: R49.1 R55.2 | length 127.1
  Bottom Layer w40: R49.1 3295,2140 R55.2
NetR50_1: R50.1 R57.2 | length 125
  Bottom Layer w40: R57.2 R50.1
NetR53_2: R53.2 R59.1 U3.6 | length 186.5
  Bottom Layer w10: R53.2 R59.1 815.77,4190.5 U3.6
NetR54_2: R54.2 R60.1 U4.6 | length 168.9
  Bottom Layer w10: R54.2 R60.1 ; R60.1@1840,4121.09 U4.6
NetR59_2: R59.2 R61.1 | length 80
  Bottom Layer w10: R59.2 R61.1
NetR60_2: R60.2 R62.1 | length 80
  Bottom Layer w10: R60.2 R62.1
NetR61_2: R61.2 R95.2 U3.7 | length 220.4
  Bottom Layer w10: R95.2 934.78,4210.5 1015.77,4129.5 R61.2
NetR62_2: R62.2 R96.2 U4.7 | length 223.8
  Bottom Layer w10: U4.7@1939.5,4210.5 R96.2 ; U4.7 1940,4202.09 R62.2
NetR63_1: R63.1 R65.2 | length 120
  Bottom Layer w40: R65.2@3295,1760 R63.1
NetR64_1: R64.1 R67.2 | length 125
  Bottom Layer w40: R67.2 R64.1
NetR69_2: R69.2 U3.8 U3.9 | length 320.1
  Bottom Layer w10: R69.2 855.77,4489.5 U3.9 U3.8
NetR70_2: R70.2 U4.8 U4.9 | length 320.1
  Bottom Layer w10: R70.2 1860.5,4449.5 1840,4470 U4.9 U4.8
NetR71_1: R71.1 R73.2 | length 120
  Bottom Layer w40: R73.2@3295,1380 R71.1
NetR72_1: R72.1 R75.2 | length 125
  Bottom Layer w40: R75.2 R72.1
NetR77_1: R77.1 R79.2 | length 127.1
  Bottom Layer w40: R77.1 3295,1063.15 3300,1058.15 R79.2
NetR78_1: R78.1 R81.2 | length 125
  Bottom Layer w40: R81.2 R78.1
U1_3V: K4.4 U5.11 | length 1719.7
  Bottom Layer w30: K4.4 780,1640 1600,2460 U5.11
U1_15V: K6.4 U5.12 | length 1587.2
  Bottom Layer w40: K6.4@910,1640 910,1700 1700,2490 U5.12
U1_200MV: K2.4 U5.10 | length 1772.2
  Bottom Layer w30: K2.4 530.71,1640 1500,2609.29 U5.10
U1_200V: K8.4 U5.13 | length 1582.4
  Bottom Layer w40: K8.4@1160,1640 1257.78,1640 1800,2182.22 U5.13
U1_AD: D1.1 P5.22 R92.1 | length 3997.6
  Top Layer w10: v1(1780,3840) 2600,3840 2910,4150 4270,4150 4404.14,4015.86 4697.22,4015.86 P5.22
  Bottom Layer w10: R92.1 1083.69,3708.41 D1.1 1215.28,3840 v1(1780,3840)
U2_3V: K3.4 U5.15 | length 1486.4
  Bottom Layer w40: K3.4 1737.78,1640 2000,1902.22 U5.15
U2_15V: K5.4 U5.16 | length 1359.4
  Bottom Layer w40: K5.4 1860,1690 2100,1930 U5.16
U2_200MV: K1.4 U5.14 | length 1544.4
  Bottom Layer w40: K1.4 1497.78,1640 1900,2042.22 U5.14
U2_200V: K7.4 U6.10 | length 1376
  Bottom Layer w40: K7.4 2310,1850 2310,2710 2380,2780 U6.10
U2_AD: D2.1 P5.21 R91.1 | length 2892
  Top Layer w10: v1(2190,3720) 2560,3720 2963.16,4123.16 4266.84,4123.16 4414.26,3975.74 P5.21
  Bottom Layer w10: R91.1 2093.13,3708.41 D2.1 v1(2190,3720)
pads on no net: P5.27 P5.28 P5.29 P5.30 P5.31 P5.32 P5.34 U1.12 U1.13 U1.14 U2.12 U2.13 U2.14 U3.12 U3.13 U3.14 U4.12 U4.13 U4.14 U6.6 U6.11 U7.6 U7.7 U7.10 U7.11 U7A.5 U7A.6 U7A.7 U7A.10 U7A.11 U7A.12 U8. U10.1 U10.6 U10.7

## Polygon pours and split planes (outlines as drawn)
GND on Top Layer "Bottom Layer-GND" (solid, remove dead copper, pour order 1000): -190,5551.18 4900,5551.18 4900,-193.31 4903.54,-196.85 -214.57,-196.85
GND on Bottom Layer "Bottom Layer-GND" (solid, remove dead copper, pour order 1001): 4903.54,5550 4903.54,-190 4896.69,-196.85 -214.57,-196.85 -214.57,5551.18

## Keep-outs
Keep-Out Layer:
  lines w10: 4900,5551.18 -214.57,5551.18 -214.57,-196.85 4903.54,-196.85 4903.54,5551.18

## Other copper
Bottom Layer:
  rectangle net I1_3A: 2650,-70 2770,210
  rectangle net NetKG3_3: 2880,-80 3000,210
  rectangle net I2_3A: 3730,-70 3840,200
  rectangle net NetKG4_3: 3960,-80 4070,200

## Silkscreen, mask and mechanical layers (free items; w line width, h text height)
Top Overlay:
  circle w10: c1540,3620 r44.72
  circle w10: c535.28,3620 r44.72
  circle w10: c535.28,4210 r44.72
  circle w10: c1540,4210 r44.72
  circle w10: c935.28,3620 r44.72
  circle w10: c1940,3620 r44.72
  circle w10: c935.28,4210 r44.72
  circle w10: c1940,4210 r44.72
  text "+9V" at 4820,5210 h65 r270
  text "GND" at 4820,5100 h65 r270
  text "1.53" at 875.28,4100 h65
  text "170mV" at 1470,4100 h65
  text "1.53" at 1880,4100 h65
  text "170mV" at 465.28,4090 h65
  text "220mV" at 465.28,3510 h65
  text "1.54" at 885.28,3510 h65
  text "220mV" at 1470,3510 h65
  text "1.54" at 1880,3510 h65
Bottom Solder:
  rectangle: 3960,-80 4070,200
  rectangle: 3730,-80 3840,200
  rectangle: 2880,-80 3000,210
  rectangle: 2650,-80 2770,210
  lines w30: 2797.8,5040 2800,5042.2 ; 3077.8,5042.2 3080,5040

## Text inside footprints (layer, text, board x,y; h text height)
P1: Top Overlay "+" at 1248,-200 h65; Top Overlay "-" at 1409,-200 h65
P2: Top Overlay "-" at 589,-200 h65; Top Overlay "+" at 428,-200 h65
P3: Top Overlay "+" at 2228,-200 h65; Top Overlay "-" at 2389,-200 h65
P4: Top Overlay "-" at 3469,-200 h65; Top Overlay "+" at 3308,-200 h65
P6: Top Overlay "+" at 2768,-200 h65; Top Overlay "-" at 2929,-200 h65
P7: Top Overlay "-" at 4009,-200 h65; Top Overlay "+" at 3848,-200 h65